# Altium PCB Shuttler_AMC.PcbDoc (part 5 of 12)
Units mm, origin at the board's own origin, x right, y up, seen from the top; angles counter-clockwise.
Board outline 180.71 x 148.55 mm, 12 copper layers (Layer 1, Layer 2, Layer 3, Layer 4, Layer 5, Layer 6, Layer 7, Layer 8, Layer 9, Layer 10, Layer 11, Layer 12), stack 2.14 mm thick; 1184 components, 1698 nets, 9088 pads, 920 vias.
Unrouted connection lines stored in the file: 1441.
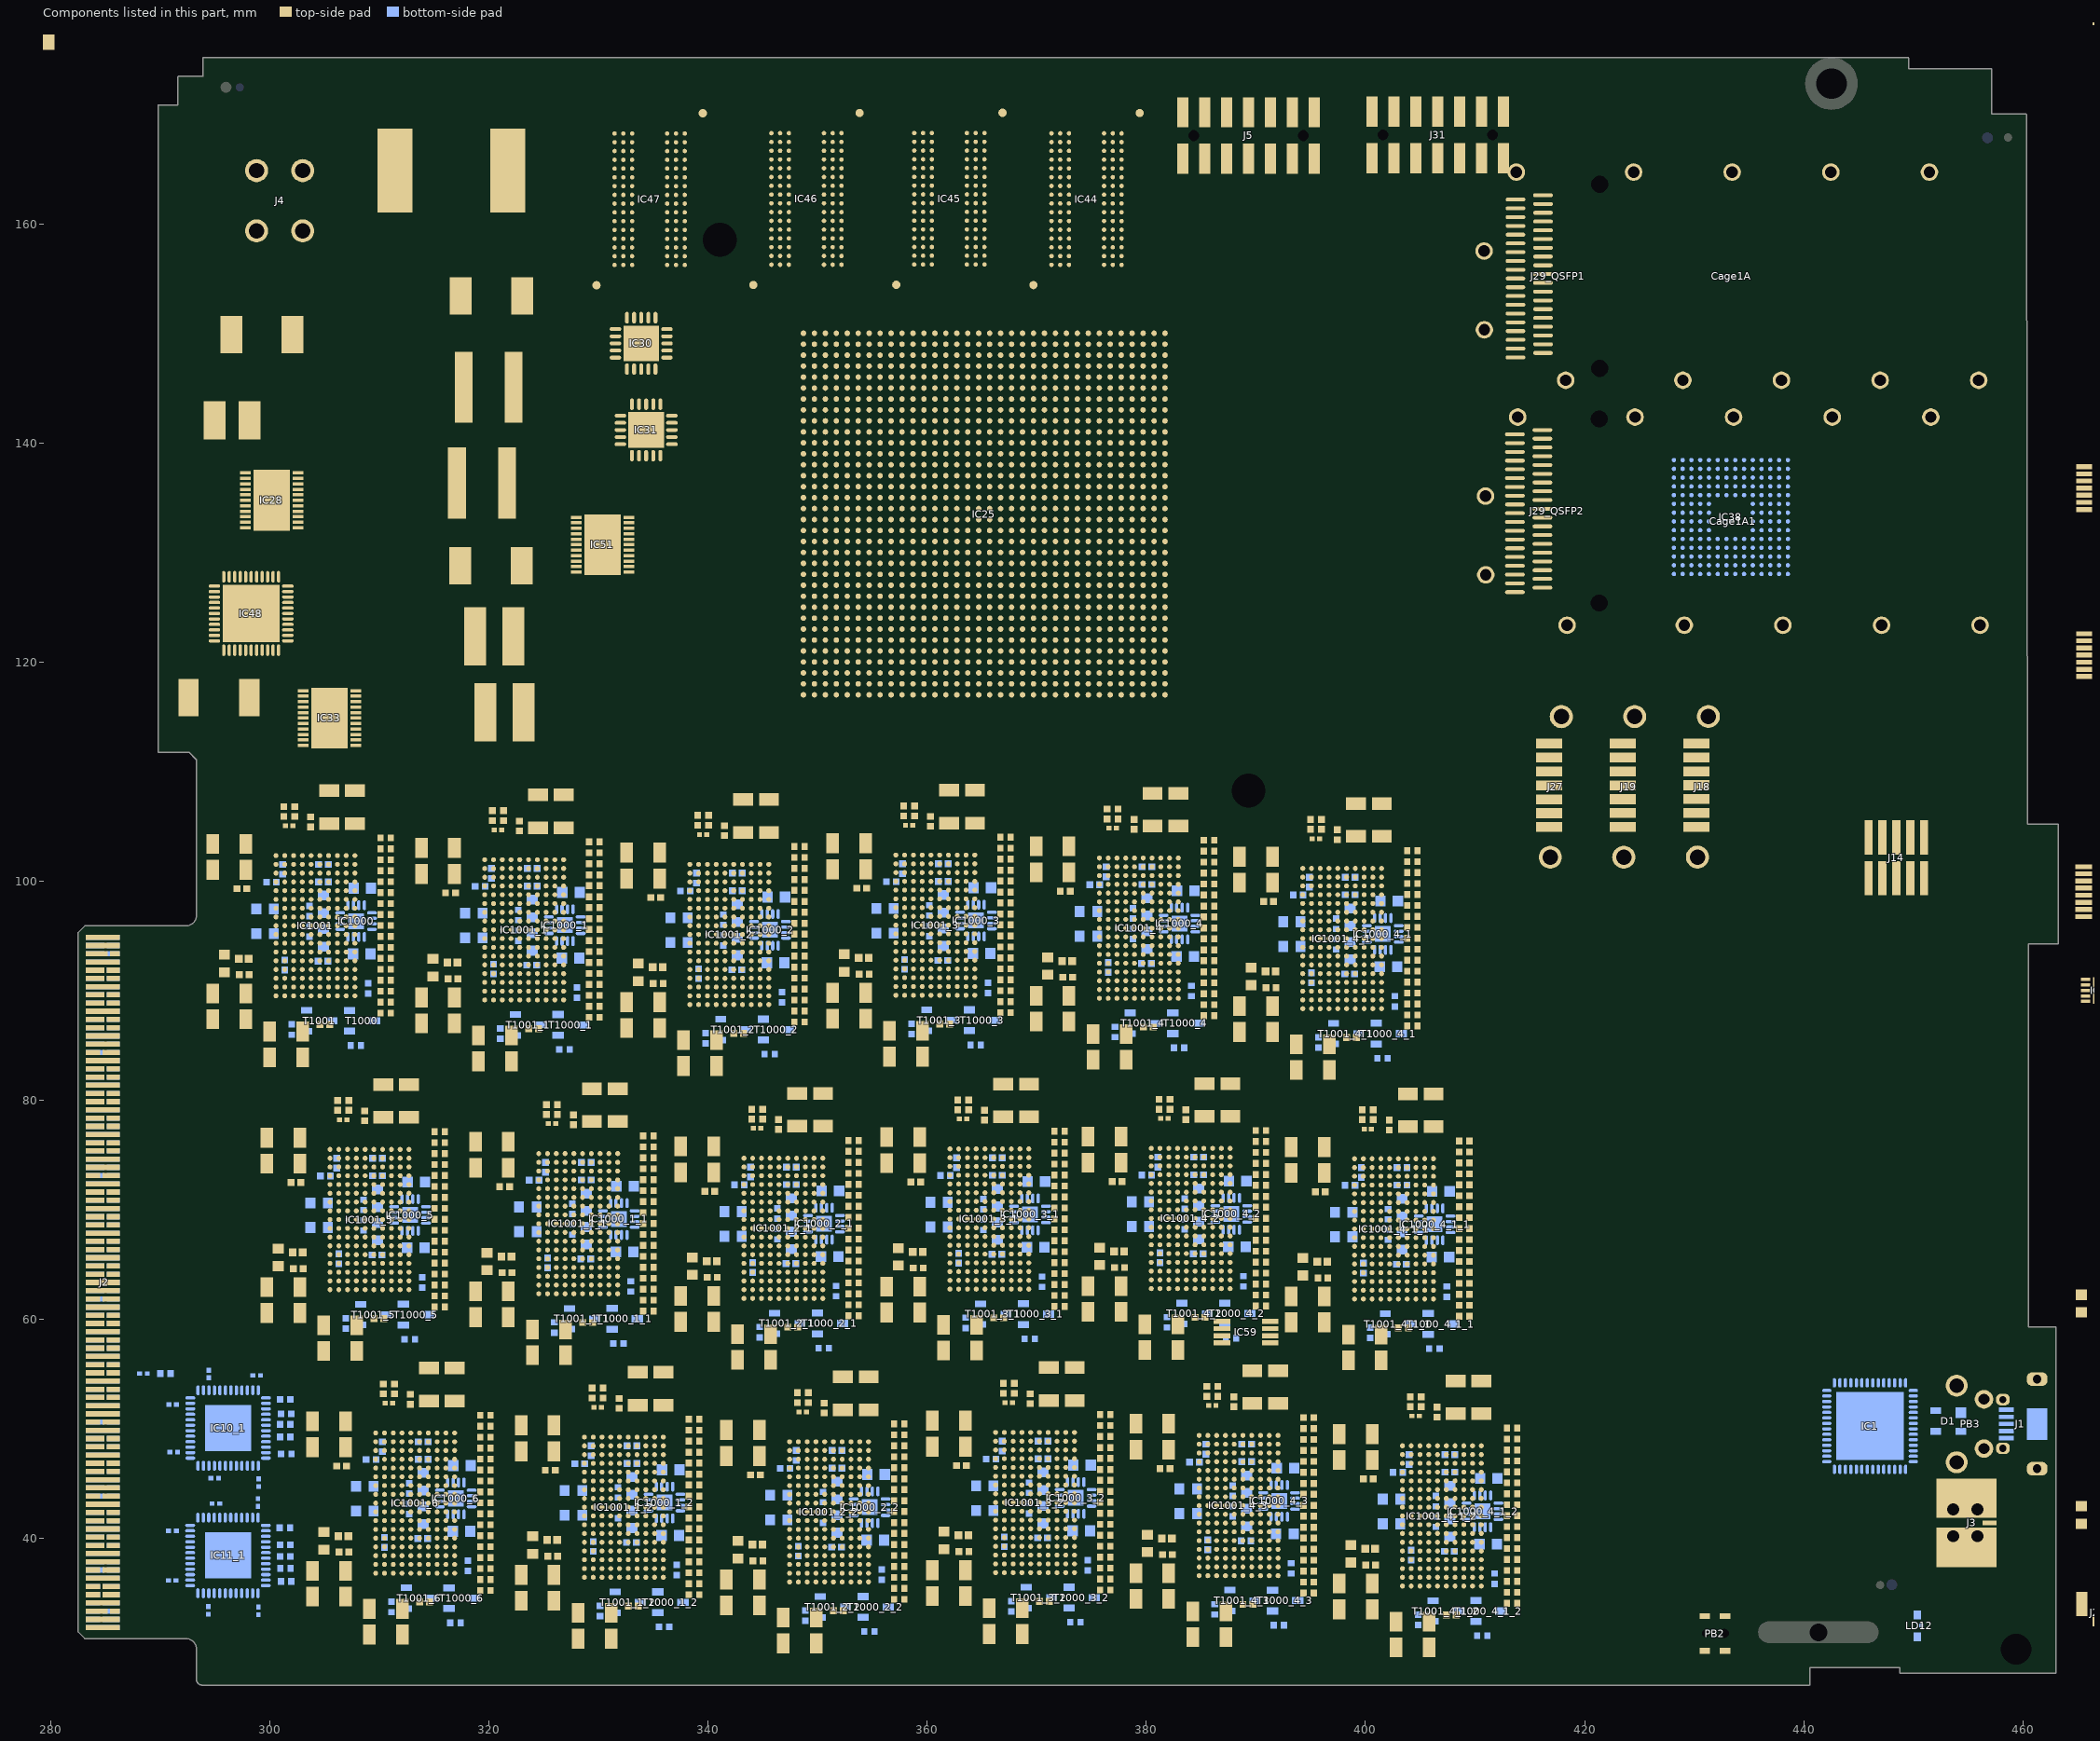
[diagram p11: the components of this part, seen from the top]

## Footprints (in the part's own frame and the unit in brackets; to place one, negate y for a bottom-side part, rotate by r counter-clockwise, add the part's x,y. Pads: shape width x height; smd on the part's side, far side on the other; paste and mask are expansions set on the pad) (continued)
HIROSE_ZX62RD-AB-5P8 [mm]
  rect 0.4x1.35 smd paste+0 mask+0.01: 1(1.3,0.775) 2(0.65,0.775) 3(0,0.775) 4(-0.65,0.775) 5(-1.3,0.775)
  rrect80% 1.225x1.9 hole 0.8 slot 1.5 at 90 deg paste-127 mask-127: 6(4.088,-2.025) 6/2(-4.088,-2.025)
  rrect80% 1.05x1.25 hole 0.65 slot 0.85 at 90 deg paste-127 mask-127: 6/3(2.225,1.1) 6/4(-2.225,1.1)
  rect 2.9x1.9 smd paste+0 mask+0.01: PASTEPAD(0,-2.025)
  Layer 1 keep-out region: 2.75,-1.675 2.755,-1.697 2.769,-1.714 2.789,-1.724 2.811,-1.724 2.831,-1.714 2.845,-1.697 2.85,-1.675 2.85,-1.675 2.831,-1.579 2.777,-1.498 2.696,-1.444 2.6,-1.425 2.6,-1.425 2.578,-1.43 2.561,-1.444 2.551,-1.464 2.551,-1.486 2.561,-1.506 2.578,-1.52 2.6,-1.525 2.6,-1.525 2.657,-1.536 2.706,-1.569 2.739,-1.618 2.75,-1.675
  Layer 1 keep-out region: 2.15,-1.525 2.172,-1.52 2.189,-1.506 2.199,-1.486 2.199,-1.464 2.189,-1.444 2.172,-1.43 2.15,-1.425 2.15,-1.425 2.054,-1.444 1.973,-1.498 1.919,-1.579 1.9,-1.675 1.9,-1.675 1.905,-1.697 1.919,-1.714 1.939,-1.724 1.961,-1.724 1.981,-1.714 1.995,-1.697 2,-1.675 2,-1.675 2.011,-1.618 2.044,-1.569 2.093,-1.536 2.15,-1.525
  Layer 1 keep-out region: -2,-1.675 -1.995,-1.697 -1.981,-1.714 -1.961,-1.724 -1.939,-1.724 -1.919,-1.714 -1.905,-1.697 -1.9,-1.675 -1.9,-1.675 -1.919,-1.579 -1.973,-1.498 -2.054,-1.444 -2.15,-1.425 -2.15,-1.425 -2.172,-1.43 -2.189,-1.444 -2.199,-1.464 -2.199,-1.486 -2.189,-1.506 -2.172,-1.52 -2.15,-1.525 -2.15,-1.525 -2.093,-1.536 -2.044,-1.569 -2.011,-1.618 -2,-1.675
  Layer 1 keep-out region: -2.6,-1.525 -2.578,-1.52 -2.561,-1.506 -2.551,-1.486 -2.551,-1.464 -2.561,-1.444 -2.578,-1.43 -2.6,-1.425 -2.6,-1.425 -2.696,-1.444 -2.777,-1.498 -2.831,-1.579 -2.85,-1.675 -2.85,-1.675 -2.845,-1.697 -2.831,-1.714 -2.811,-1.724 -2.789,-1.724 -2.769,-1.714 -2.755,-1.697 -2.75,-1.675 -2.75,-1.675 -2.739,-1.618 -2.706,-1.569 -2.657,-1.536 -2.6,-1.525
  Layer 1 keep-out region: -3.75,-0.775 -3.772,-0.78 -3.789,-0.794 -3.799,-0.814 -3.799,-0.836 -3.789,-0.856 -3.772,-0.87 -3.75,-0.875 -3.75,-0.875 -3.05,-0.875 -3.028,-0.87 -3.011,-0.856 -3.001,-0.836 -3.001,-0.814 -3.011,-0.794 -3.028,-0.78 -3.05,-0.775 -3.05,-0.775
  Layer 1 keep-out region: -3.1,-3.225 -3.095,-3.247 -3.081,-3.264 -3.061,-3.274 -3.039,-3.274 -3.019,-3.264 -3.005,-3.247 -3,-3.225 -3,-3.225 -3,-0.825 -3.005,-0.803 -3.019,-0.786 -3.039,-0.776 -3.061,-0.776 -3.081,-0.786 -3.095,-0.803 -3.1,-0.825 -3.1,-0.825
  Layer 1 keep-out region: -3.75,-3.175 -3.772,-3.18 -3.789,-3.194 -3.799,-3.214 -3.799,-3.236 -3.789,-3.256 -3.772,-3.27 -3.75,-3.275 -3.75,-3.275 -3.05,-3.275 -3.028,-3.27 -3.011,-3.256 -3.001,-3.236 -3.001,-3.214 -3.011,-3.194 -3.028,-3.18 -3.05,-3.175 -3.05,-3.175
  Layer 1 keep-out region: 3.05,-0.775 3.028,-0.78 3.011,-0.794 3.001,-0.814 3.001,-0.836 3.011,-0.856 3.028,-0.87 3.05,-0.875 3.05,-0.875 3.75,-0.875 3.772,-0.87 3.789,-0.856 3.799,-0.836 3.799,-0.814 3.789,-0.794 3.772,-0.78 3.75,-0.775 3.75,-0.775
  Layer 1 keep-out region: 3,-3.225 3.005,-3.247 3.019,-3.264 3.039,-3.274 3.061,-3.274 3.081,-3.264 3.095,-3.247 3.1,-3.225 3.1,-3.225 3.1,-0.825 3.095,-0.803 3.081,-0.786 3.061,-0.776 3.039,-0.776 3.019,-0.786 3.005,-0.803 3,-0.825 3,-0.825
  Layer 1 keep-out region: 3.05,-3.175 3.028,-3.18 3.011,-3.194 3.001,-3.214 3.001,-3.236 3.011,-3.256 3.028,-3.27 3.05,-3.275 3.05,-3.275 3.75,-3.275 3.772,-3.27 3.789,-3.256 3.799,-3.236 3.799,-3.214 3.789,-3.194 3.772,-3.18 3.75,-3.175 3.75,-3.175
  Layer 1 keep-out region: 1.7,0 1.678,-0.005 1.661,-0.019 1.651,-0.039 1.651,-0.061 1.661,-0.081 1.678,-0.095 1.7,-0.1 1.7,-0.1 3.75,-0.1 3.772,-0.095 3.789,-0.081 3.799,-0.061 3.799,-0.039 3.789,-0.019 3.772,-0.005 3.75,0 3.75,0
  Layer 1 keep-out region: 1.65,-0.25 1.655,-0.272 1.669,-0.289 1.689,-0.299 1.711,-0.299 1.731,-0.289 1.745,-0.272 1.75,-0.25 1.75,-0.25 1.75,-0.05 1.745,-0.028 1.731,-0.011 1.711,-0.001 1.689,-0.001 1.669,-0.011 1.655,-0.028 1.65,-0.05 1.65,-0.05
  Layer 1 keep-out region: -1.75,-0.25 -1.745,-0.272 -1.731,-0.289 -1.711,-0.299 -1.689,-0.299 -1.669,-0.289 -1.655,-0.272 -1.65,-0.25 -1.65,-0.25 -1.65,-0.05 -1.655,-0.028 -1.669,-0.011 -1.689,-0.001 -1.711,-0.001 -1.731,-0.011 -1.745,-0.028 -1.75,-0.05 -1.75,-0.05
  Layer 1 keep-out region: -1.7,-0.2 -1.722,-0.205 -1.739,-0.219 -1.749,-0.239 -1.749,-0.261 -1.739,-0.281 -1.722,-0.295 -1.7,-0.3 -1.7,-0.3 1.7,-0.3 1.722,-0.295 1.739,-0.281 1.749,-0.261 1.749,-0.239 1.739,-0.219 1.722,-0.205 1.7,-0.2 1.7,-0.2
  Layer 1 keep-out region: 3.7,-3.35 3.705,-3.372 3.719,-3.389 3.739,-3.399 3.761,-3.399 3.781,-3.389 3.795,-3.372 3.8,-3.35 3.8,-3.35 3.8,-3.225 3.795,-3.203 3.781,-3.186 3.761,-3.176 3.739,-3.176 3.719,-3.186 3.705,-3.203 3.7,-3.225 3.7,-3.225
  Layer 1 keep-out region: -3.8,-3.35 -3.795,-3.372 -3.781,-3.389 -3.761,-3.399 -3.739,-3.399 -3.719,-3.389 -3.705,-3.372 -3.7,-3.35 -3.7,-3.35 -3.7,-3.225 -3.705,-3.203 -3.719,-3.186 -3.739,-3.176 -3.761,-3.176 -3.781,-3.186 -3.795,-3.203 -3.8,-3.225 -3.8,-3.225
  Layer 1 keep-out region: 3.7,-0.825 3.705,-0.847 3.719,-0.864 3.739,-0.874 3.761,-0.874 3.781,-0.864 3.795,-0.847 3.8,-0.825 3.8,-0.825 3.8,-0.05 3.795,-0.028 3.781,-0.011 3.761,-0.001 3.739,-0.001 3.719,-0.011 3.705,-0.028 3.7,-0.05 3.7,-0.05
  Layer 1 keep-out region: -3.8,-0.825 -3.795,-0.847 -3.781,-0.864 -3.761,-0.874 -3.739,-0.874 -3.719,-0.864 -3.705,-0.847 -3.7,-0.825 -3.7,-0.825 -3.7,-0.05 -3.705,-0.028 -3.719,-0.011 -3.739,-0.001 -3.761,-0.001 -3.781,-0.011 -3.795,-0.028 -3.8,-0.05 -3.8,-0.05
  Layer 1 keep-out region: -3.75,0 -3.772,-0.005 -3.789,-0.019 -3.799,-0.039 -3.799,-0.061 -3.789,-0.081 -3.772,-0.095 -3.75,-0.1 -3.75,-0.1 -1.7,-0.1 -1.678,-0.095 -1.661,-0.081 -1.651,-0.061 -1.651,-0.039 -1.661,-0.019 -1.678,-0.005 -1.7,0 -1.7,0
  Layer 1 keep-out region: 2.8,-3.3 2.778,-3.305 2.761,-3.319 2.751,-3.339 2.751,-3.361 2.761,-3.381 2.778,-3.395 2.8,-3.4 2.8,-3.4 3.75,-3.4 3.772,-3.395 3.789,-3.381 3.799,-3.361 3.799,-3.339 3.789,-3.319 3.772,-3.305 3.75,-3.3 3.75,-3.3
  Layer 1 keep-out region: 1.65,-3.3 1.628,-3.305 1.611,-3.319 1.601,-3.339 1.601,-3.361 1.611,-3.381 1.628,-3.395 1.65,-3.4 1.65,-3.4 1.95,-3.4 1.972,-3.395 1.989,-3.381 1.999,-3.361 1.999,-3.339 1.989,-3.319 1.972,-3.305 1.95,-3.3 1.95,-3.3
  Layer 1 keep-out region: -1.95,-3.3 -1.972,-3.305 -1.989,-3.319 -1.999,-3.339 -1.999,-3.361 -1.989,-3.381 -1.972,-3.395 -1.95,-3.4 -1.95,-3.4 -1.65,-3.4 -1.628,-3.395 -1.611,-3.381 -1.601,-3.361 -1.601,-3.339 -1.611,-3.319 -1.628,-3.305 -1.65,-3.3 -1.65,-3.3
  Layer 1 keep-out region: -3.75,-3.3 -3.772,-3.305 -3.789,-3.319 -3.799,-3.339 -3.799,-3.361 -3.789,-3.381 -3.772,-3.395 -3.75,-3.4 -3.75,-3.4 -2.8,-3.4 -2.778,-3.395 -2.761,-3.381 -2.751,-3.361 -2.751,-3.339 -2.761,-3.319 -2.778,-3.305 -2.8,-3.3 -2.8,-3.3
  Layer 1 keep-out region: -1.7,-3.35 -1.695,-3.372 -1.681,-3.389 -1.661,-3.399 -1.639,-3.399 -1.619,-3.389 -1.605,-3.372 -1.6,-3.35 -1.6,-3.35 -1.6,-0.875 -1.605,-0.853 -1.619,-0.836 -1.639,-0.826 -1.661,-0.826 -1.681,-0.836 -1.695,-0.853 -1.7,-0.875 -1.7,-0.875
  Layer 1 keep-out region: -1.65,-0.825 -1.672,-0.83 -1.689,-0.844 -1.699,-0.864 -1.699,-0.886 -1.689,-0.906 -1.672,-0.92 -1.65,-0.925 -1.65,-0.925 1.65,-0.925 1.672,-0.92 1.689,-0.906 1.699,-0.886 1.699,-0.864 1.689,-0.844 1.672,-0.83 1.65,-0.825 1.65,-0.825
  Layer 1 keep-out region: 1.6,-3.35 1.605,-3.372 1.619,-3.389 1.639,-3.399 1.661,-3.399 1.681,-3.389 1.695,-3.372 1.7,-3.35 1.7,-3.35 1.7,-0.875 1.695,-0.853 1.681,-0.836 1.661,-0.826 1.639,-0.826 1.619,-0.836 1.605,-0.853 1.6,-0.875 1.6,-0.875
  Layer 1 keep-out region: 2.75,-3.35 2.755,-3.372 2.769,-3.389 2.789,-3.399 2.811,-3.399 2.831,-3.389 2.845,-3.372 2.85,-3.35 2.85,-3.35 2.85,-1.675 2.845,-1.653 2.831,-1.636 2.811,-1.626 2.789,-1.626 2.769,-1.636 2.755,-1.653 2.75,-1.675 2.75,-1.675
  Layer 1 keep-out region: 2.15,-1.425 2.128,-1.43 2.111,-1.444 2.101,-1.464 2.101,-1.486 2.111,-1.506 2.128,-1.52 2.15,-1.525 2.15,-1.525 2.6,-1.525 2.622,-1.52 2.639,-1.506 2.649,-1.486 2.649,-1.464 2.639,-1.444 2.622,-1.43 2.6,-1.425 2.6,-1.425
  Layer 1 keep-out region: 1.9,-3.35 1.905,-3.372 1.919,-3.389 1.939,-3.399 1.961,-3.399 1.981,-3.389 1.995,-3.372 2,-3.35 2,-3.35 2,-1.675 1.995,-1.653 1.981,-1.636 1.961,-1.626 1.939,-1.626 1.919,-1.636 1.905,-1.653 1.9,-1.675 1.9,-1.675
  Layer 1 keep-out region: -2,-3.35 -1.995,-3.372 -1.981,-3.389 -1.961,-3.399 -1.939,-3.399 -1.919,-3.389 -1.905,-3.372 -1.9,-3.35 -1.9,-3.35 -1.9,-1.675 -1.905,-1.653 -1.919,-1.636 -1.939,-1.626 -1.961,-1.626 -1.981,-1.636 -1.995,-1.653 -2,-1.675 -2,-1.675
  Layer 1 keep-out region: -2.6,-1.425 -2.622,-1.43 -2.639,-1.444 -2.649,-1.464 -2.649,-1.486 -2.639,-1.506 -2.622,-1.52 -2.6,-1.525 -2.6,-1.525 -2.15,-1.525 -2.128,-1.52 -2.111,-1.506 -2.101,-1.486 -2.101,-1.464 -2.111,-1.444 -2.128,-1.43 -2.15,-1.425 -2.15,-1.425
  Layer 1 keep-out region: -2.85,-3.35 -2.845,-3.372 -2.831,-3.389 -2.811,-3.399 -2.789,-3.399 -2.769,-3.389 -2.755,-3.372 -2.75,-3.35 -2.75,-3.35 -2.75,-1.675 -2.755,-1.653 -2.769,-1.636 -2.789,-1.626 -2.811,-1.626 -2.831,-1.636 -2.845,-1.653 -2.85,-1.675 -2.85,-1.675
  silkscreen extent -4,-4.65 4,2.05
HS_AAVID_342947 [mm]
  round 1 hole 3.1 unplated paste-127 mask+0.025: 1(24.135,-25.15) 2(-24.135,25.15)
  silkscreen extent -28.94,-29.5 28.96,29.5
IND_BOURNS_SRP6540 [mm] "SMD Inductor Body Width 7.5mm Body Lenght 6.7mm Height 4mm"
  rect 2x3.4 smd: 1(-2.8,0) 2(2.8,0)
  silkscreen extent -3.55,-3.35 3.55,3.35, body extent -3.75,-3.35 3.75,3.35, height 4
IND_COILCRAFT_XAL7070 [mm] "SMD Inductor Body Width 7.5mm Body Lenght 7.2mm Height 7mm, XAL7070 Series"
  rect 1.63x6.5 smd: 1(-2.285,0) 2(2.285,0)
  silkscreen extent -3.85,-4 3.85,4, body extent -3.85,-4 3.85,4, height 7
IND_MURATA-PS_8400 [mm] "Miniature Surface Mount Power Inductors, 4.5mm L X 3.3mm W X 2.9mm H, MURATA 8400 Series"
  rect 2x3.5 smd: 1(-1.6,0) 2(1.6,0)
  silkscreen extent -0.3,-1.8 0.3,1.8, body extent -2.4,-1.8 2.4,1.8, height 2.9
IND_PULSE_PA0513 [mm] "SMD Power Inductor, Body Width 13.46mm Body Lenght 12.95mm Height 8mm, PULSE PA0513 Series"
  rect 3.18x7.62 smd: 1(-5.145,0) 2(5.145,0)
  silkscreen extent -6.73,-6.48 6.73,6.48, body extent -6.73,-6.48 6.73,6.48, height 8
IND_TDK_SPM6530 [mm] "SMD Inductor, 7.1mm L X 6.5mm W X 3mm H, TDK SPM6530 Series"
  rect 1.85x3.4 smd: 1(-2.775,0) 2(2.775,0)
  silkscreen extent -3.5,-3.2 3.5,3.2, body extent -3.6,-3.2 3.6,3.2, height 3.1
IND_WURTH_WE-PMCI_0806LR [mm] "SMD Power Molded Chip  Inductor (WE-PMCI Series), Body 2.0x1.6mm"
  rect 0.8x1.8 smd: 1(-0.8,0) 2(0.8,0)
  silkscreen extent -0.05,-0.8 0.05,0.8, body extent -1,-0.8 1,0.8, height 1
IND_WURTH_WE-SPC-4838 [mm] "SMD Inductor, Body 4.8x4.8mm"
  rect 2x5.3 smd: 1(-1.75,0) 2(1.75,0)
  silkscreen extent -0.4,-2.41 0.4,2.41, body extent -2.41,-2.41 2.41,2.41, height 3.81
INDC1005X55N [mm] "Chip Inductor, 2-Leads, EIA 0402, Metric 1005, Body 1x0.5mm, 0402IPC Medium Density"
  rect 0.6x0.62 smd: 1(-0.46,0) 2(0.46,0)
  body extent -0.52,-0.27 0.53,0.28, height 0.55
INDC1608X65N [mm] "Chip Inductor, 2-Leads, EIA 0603, Metric 1608, Body 1.6x0.8mm, IPC Medium Density"
  rect 1x1 smd: 1(-0.75,0) 2(0.75,0)
  body extent -0.87,-0.47 0.88,0.48, height 0.65
INDC1608X95N [mm] "Chip Inductor, 2-Leads, EIA 0603, Metric 1608, Body 1.6x0.8mm, IPC Medium Density"
  rect 0.95x1 smd: 1(-0.8,0) 2(0.8,0)
  body extent -0.87,-0.47 0.88,0.48, height 0.95
INDC2012X105N [mm] "Chip Inductor, EIA 0805, Metric 2012, Body 2.0x1.25mm, IPC Medium Density"
  rect 1.15x1.45 smd: 1(-0.9,0) 2(0.9,0)
  silkscreen extent 0,-0.6 0,0.6, body extent -1.1,-0.7 1.1,0.7, height 1.1
INDC2012X110N [mm] "Chip Inductor, EIA 0805, Metric 2012, Body 2.0x1.2mm, IPC Medium Density"
  rect 1.05x1.4 smd: 1(-0.95,0) 2(0.95,0)
  silkscreen extent 0,-0.53 0,0.53, body extent -1,-0.62 1,0.63, height 1.1
INDC2014X145N [mm] "Chip Inductor, EIA 0805, Metric 2014, Body 2.05x1.4mm, IPC Medium Density"
  rect 1.05x1.6 smd: 1(-0.95,0) 2(0.95,0)
  silkscreen extent 0,-0.55 0,0.63, body extent -1,-0.66 1.2,0.74, height 1.45
INDC4516X180N [mm] "Inductor, Chip; 4.50mm L X 1.60mm W X 1.80mm H, IPC Medium Density"
  rect 1.4x1.8 smd: 1(-2,0) 2(2,0)
  silkscreen extent -0.95,-0.8 0.95,0.8, body extent -2.25,-0.8 2.25,0.8, height 1.8
LED_AVAGO_HSME-C120 [mm] "Green Chip LED, 2-Leads, Body 1.7x1.1mm, Side Emitting Package"
  rect 0.8x0.7 smd: 1(-1,0) 2(1,0)
  rect 0.4x0.4 smd: 3(0,-0.35)
  silkscreen extent -1.12,-0.92 0.42,0.8, body extent -0.85,-0.3 0.85,0.8, height 0.7
"LINEAR_BGA(170) # 05-08-1890" [mm] "BGA, 0.80mm Pitch, Rect.; 170 Pin, 10 Columns X 17 Rows, 9.00mm X 15.00mm X 1.69mm H, LTC DWG # 05-08-1890"
  round 0.45 smd: A1(-3.6,6.4) A2(-2.8,6.4) A3(-2,6.4) A4(-1.2,6.4) A5(-0.4,6.4) A6(0.4,6.4) A7(1.2,6.4) A8(2,6.4) A9(2.8,6.4) A10(3.6,6.4) B1(-3.6,5.6) B2(-2.8,5.6) B3(-2,5.6) B4(-1.2,5.6) B5(-0.4,5.6) B6(0.4,5.6) B7(1.2,5.6) B8(2,5.6) B9(2.8,5.6) B10(3.6,5.6) C1(-3.6,4.8) C2(-2.8,4.8) C3(-2,4.8) C4(-1.2,4.8) C5(-0.4,4.8) C6(0.4,4.8) C7(1.2,4.8) C8(2,4.8) C9(2.8,4.8) C10(3.6,4.8) D1(-3.6,4) D2(-2.8,4) D3(-2,4) D4(-1.2,4) D5(-0.4,4) D6(0.4,4) D7(1.2,4) D8(2,4) D9(2.8,4) D10(3.6,4) E1(-3.6,3.2) E2(-2.8,3.2) E3(-2,3.2) E4(-1.2,3.2) E5(-0.4,3.2) E6(0.4,3.2) E7(1.2,3.2) E8(2,3.2) E9(2.8,3.2) E10(3.6,3.2) F1(-3.6,2.4) F2(-2.8,2.4) F3(-2,2.4) F4(-1.2,2.4) F5(-0.4,2.4) F6(0.4,2.4) F7(1.2,2.4) F8(2,2.4) F9(2.8,2.4) F10(3.6,2.4) G1(-3.6,1.6) G2(-2.8,1.6) G3(-2,1.6) G4(-1.2,1.6) G5(-0.4,1.6) G6(0.4,1.6) G7(1.2,1.6) G8(2,1.6) G9(2.8,1.6) G10(3.6,1.6) H1(-3.6,0.8) H2(-2.8,0.8) H3(-2,0.8) H4(-1.2,0.8) H5(-0.4,0.8) H6(0.4,0.8) H7(1.2,0.8) H8(2,0.8) H9(2.8,0.8) H10(3.6,0.8) J1(-3.6,0) J2(-2.8,0) J3(-2,0) J4(-1.2,0) J5(-0.4,0) J6(0.4,0) J7(1.2,0) J8(2,0) J9(2.8,0) J10(3.6,0) K1(-3.6,-0.8) K2(-2.8,-0.8) K3(-2,-0.8) K4(-1.2,-0.8) K5(-0.4,-0.8) K6(0.4,-0.8) K7(1.2,-0.8) K8(2,-0.8) K9(2.8,-0.8) K10(3.6,-0.8) L1(-3.6,-1.6) L2(-2.8,-1.6) L3(-2,-1.6) L4(-1.2,-1.6) L5(-0.4,-1.6) L6(0.4,-1.6) L7(1.2,-1.6) L8(2,-1.6) L9(2.8,-1.6) L10(3.6,-1.6) M1(-3.6,-2.4) M2(-2.8,-2.4) M3(-2,-2.4) M4(-1.2,-2.4) M5(-0.4,-2.4) M6(0.4,-2.4) M7(1.2,-2.4) M8(2,-2.4) M9(2.8,-2.4) M10(3.6,-2.4) N1(-3.6,-3.2) N2(-2.8,-3.2) N3(-2,-3.2) N4(-1.2,-3.2) N5(-0.4,-3.2) N6(0.4,-3.2) N7(1.2,-3.2) N8(2,-3.2) N9(2.8,-3.2) N10(3.6,-3.2) P1(-3.6,-4) P2(-2.8,-4) P3(-2,-4) P4(-1.2,-4) P5(-0.4,-4) P6(0.4,-4) P7(1.2,-4) P8(2,-4) P9(2.8,-4) P10(3.6,-4) Q1(-3.6,-4.8) Q2(-2.8,-4.8) Q3(-2,-4.8) Q4(-1.2,-4.8) Q5(-0.4,-4.8) Q6(0.4,-4.8) Q7(1.2,-4.8) Q8(2,-4.8) Q9(2.8,-4.8) Q10(3.6,-4.8) R1(-3.6,-5.6) R2(-2.8,-5.6) R3(-2,-5.6) R4(-1.2,-5.6) R5(-0.4,-5.6) R6(0.4,-5.6) R7(1.2,-5.6) R8(2,-5.6) R9(2.8,-5.6) R10(3.6,-5.6) S1(-3.6,-6.4) S2(-2.8,-6.4) S3(-2,-6.4) S4(-1.2,-6.4) S5(-0.4,-6.4) S6(0.4,-6.4) S7(1.2,-6.4) S8(2,-6.4) S9(2.8,-6.4) S10(3.6,-6.4)
  silkscreen extent -5.22,-7.5 4.5,7.5, body extent -4.5,-7.5 4.5,7.5, height 1.69
MOLEX_39-28-1043 [mm] "4.20mm (.165\") Pitch Mini-Fit Jr. Header, Dual Row, Vertical, without Snap-in Plastic Peg PCB Lock, 4 Circuits"
  round 2.1 hole 1.4: 1(-2.1,2.75) 2(2.1,2.75) 3(-2.1,-2.75) 4(2.1,-2.75)
  silkscreen extent -5.2,-6 5.2,5, body extent -5.2,-6 5.2,5, height 12.8
MOLEX_67800-5005 [mm] "1.27mm Pitch, 7 Contacts, Serial ATA High Speed Header, Straight with Locking Latch"
  rect 0.9x2.4 smd: 1(-3.81,0) 2(-2.54,0) 3(-1.27,0) 4(0,0) 5(1.27,0) 6(2.54,0) 7(3.81,0)
  round 2.1 hole 1.4: MECH1(-6.27,1.1) MECH2(6.56,0.1)
  silkscreen extent -8.28,-2.87 8.61,4.33, body extent -8.29,-2.13 8.62,4.32, height 8.4
MOLEX_87832-1420 [mm] "Milli-Grid, Pitch 2mm, 14 contacts, Surface Mount Vertical Header With Locking Window And Centre Polarization Slot"
  rect 1x2.75 smd: 1(-6,-2.125) 2(-6,2.125) 3(-4,-2.125) 4(-4,2.125) 5(-2,-2.125) 6(-2,2.125) 7(0,-2.125) 8(0,2.125) 9(2,-2.125) 10(2,2.125) 11(4,-2.125) 12(4,2.125) 13(6,-2.125) 14(6,2.125)
  round 0.5 hole 1 unplated mask+0.25: 15(-5,0) 16(5,0)
  silkscreen extent -8.32,-4.19 8.32,3.15, body extent -8.32,-3.15 8.33,3.15, height 7.6
PB_ALPS_SKHHLQA010 [mm] "Body 6x6mm, Stem height 8.35mm, Horizontal Pushbutton Switch, ALPS Serie SKHH"
  round 1.7 hole 1: 1(-1.25,-2.25) 2(-1.25,2.25)
  round 2 hole 1.3: 3(1.25,-3.5) 4(1.25,3.5)
  silkscreen extent -9.6,-3.75 2.8,3.75, body extent -9.6,-4.25 2.8,4.25, height 7.4
QFN40P140X180X55-10N [mm] "QFN, 0.40mm Pitch, Rect.;10 Pin, 1.80mm L X 1.40mm W X 0.55mm H Body, IPC Medium Density"
  oval 0.9x0.2 smd: 1(-0.65,0.2)
  oval 0.8x0.2 smd: 2(-0.7,-0.2) 6(0.7,-0.2) 7(0.7,0.2)
  oval 0.2x0.8 smd: 3(-0.4,-0.9) 4(0,-0.9) 5(0.4,-0.9) 8(0.4,0.9) 9(0,0.9) 10(-0.4,0.9)
  silkscreen extent -1.82,0.07 -1.58,0.32, body extent -0.7,-0.9 0.7,0.9, height 0.55
QFN50P300X300X100-17N-S145 [mm] "QFN,0.50mm Pitch, Square; 4 Pin X 4 Pin, 3mm X 3mm X 1.00mm H Body (w/Thermal Tab 1.45 X 1.45mm), IPC Medium Density"
  oval 0.9x0.3 smd: 1(-1.45,0.75) 2(-1.45,0.25) 3(-1.45,-0.25) 4(-1.45,-0.75) 9(1.45,-0.75) 10(1.45,-0.25) 11(1.45,0.25) 12(1.45,0.75)
  oval 0.3x0.9 smd: 5(-0.75,-1.45) 6(-0.25,-1.45) 7(0.25,-1.45) 8(0.75,-1.45) 13(0.75,1.45) 14(0.25,1.45) 15(-0.25,1.45) 16(-0.75,1.45)
  rect 1.45x1.45 smd: 17(0,0)
  silkscreen extent -2.62,-1.5 1.5,1.5, body extent -1.57,-1.57 1.58,1.58, height 1
QFN50P400X400X100-25N-S220 [mm] "QFN, 0.50mm Pitch, Square; 24 Pin, 4.00mm L X 4.00mm W X 1.00mm H body (w/thermal tab 2.2 X 2.2mm), IPC Medium Density"
  oval 0.9x0.3 smd: 1(-1.95,1.25) 2(-1.95,0.75) 3(-1.95,0.25) 4(-1.95,-0.25) 5(-1.95,-0.75) 6(-1.95,-1.25) 13(1.95,-1.25) 14(1.95,-0.75) 15(1.95,-0.25) 16(1.95,0.25) 17(1.95,0.75) 18(1.95,1.25)
  oval 0.3x0.9 smd: 7(-1.25,-1.95) 8(-0.75,-1.95) 9(-0.25,-1.95) 10(0.25,-1.95) 11(0.75,-1.95) 12(1.25,-1.95) 19(1.25,1.95) 20(0.75,1.95) 21(0.25,1.95) 22(-0.25,1.95) 23(-0.75,1.95) 24(-1.25,1.95)
  rect 2.2x2.2 smd: 25(0,0)
  silkscreen extent -3.12,-2 2,2, body extent -2.07,-2.07 2.08,2.08, height 1
QFN50P500X500X80-33N-S285 [mm] "QFN, 0.50mm Pitch, Square; 8 Pin X 8 Pin, 5mm X 5mm X 1.00mm H body (w/thermal tab 2.85 X 2.85mm),  IPC Medium Density"
  oval 0.85x0.3 smd: 1(-2.45,1.75) 2(-2.45,1.25) 3(-2.45,0.75) 4(-2.45,0.25) 5(-2.45,-0.25) 6(-2.45,-0.75) 7(-2.45,-1.25) 8(-2.45,-1.75) 17(2.45,-1.75) 18(2.45,-1.25) 19(2.45,-0.75) 20(2.45,-0.25) 21(2.45,0.25) 22(2.45,0.75) 23(2.45,1.25) 24(2.45,1.75)
  oval 0.3x0.85 smd: 9(-1.75,-2.45) 10(-1.25,-2.45) 11(-0.75,-2.45) 12(-0.25,-2.45) 13(0.25,-2.45) 14(0.75,-2.45) 15(1.25,-2.45) 16(1.75,-2.45) 25(1.75,2.45) 26(1.25,2.45) 27(0.75,2.45) 28(0.25,2.45) 29(-0.25,2.45) 30(-0.75,2.45) 31(-1.25,2.45) 32(-1.75,2.45)
  rect 2.85x2.85 smd: 33(0,0)
  silkscreen extent -3.57,-2.5 2.5,2.5, body extent -2.5,-2.5 2.5,2.5, height 0.8
QFN50P600X600X90-37N-S425 [mm] "QFN, 0.50mm Pitch, Square; 36 Pin, 6.00mm L X 6.00mm W X 0.90mm H Body (w/thermal tab 4.25m x 4.25mm), IPC Medium Density"
  oval 1.05x0.3 smd: 1(-2.9,2) 2(-2.9,1.5) 3(-2.9,1) 4(-2.9,0.5) 5(-2.9,0) 6(-2.9,-0.5) 7(-2.9,-1) 8(-2.9,-1.5) 9(-2.9,-2) 19(2.9,-2) 20(2.9,-1.5) 21(2.9,-1) 22(2.9,-0.5) 23(2.9,0) 24(2.9,0.5) 25(2.9,1) 26(2.9,1.5) 27(2.9,2)
  oval 0.3x1.05 smd: 10(-2,-2.9) 11(-1.5,-2.9) 12(-1,-2.9) 13(-0.5,-2.9) 14(0,-2.9) 15(0.5,-2.9) 16(1,-2.9) 17(1.5,-2.9) 18(2,-2.9) 28(2,2.9) 29(1.5,2.9) 30(1,2.9) 31(0.5,2.9) 32(0,2.9) 33(-0.5,2.9) 34(-1,2.9) 35(-1.5,2.9) 36(-2,2.9)
  rect 4.25x4.25 smd: 37(0,0)
  silkscreen extent -4.12,-3 3,3, body extent -3,-3 3,3, height 0.9
QFN50P600X600X90-41N-S475 [mm] "QFN, 0.50mm Pitch, Square; 40 Pin, 4.00mm L X 4.00mm W X 1.00mm H Body (w/thermal Tab 2.75 X 2.75mm), IPC Medium Density"
  oval 0.8x0.3 smd: 1(-3,2.25) 2(-3,1.75) 3(-3,1.25) 4(-3,0.75) 5(-3,0.25) 6(-3,-0.25) 7(-3,-0.75) 8(-3,-1.25) 9(-3,-1.75) 10(-3,-2.25) 21(3,-2.25) 22(3,-1.75) 23(3,-1.25) 24(3,-0.75) 25(3,-0.25) 26(3,0.25) 27(3,0.75) 28(3,1.25) 29(3,1.75) 30(3,2.25)
  oval 0.3x0.8 smd: 11(-2.25,-3) 12(-1.75,-3) 13(-1.25,-3) 14(-0.75,-3) 15(-0.25,-3) 16(0.25,-3) 17(0.75,-3) 18(1.25,-3) 19(1.75,-3) 20(2.25,-3) 31(2.25,3) 32(1.75,3) 33(1.25,3) 34(0.75,3) 35(0.25,3) 36(-0.25,3) 37(-0.75,3) 38(-1.25,3) 39(-1.75,3) 40(-2.25,3)
  rect 4.75x4.75 smd: 41(0,0)
  silkscreen extent -4.12,-3.05 3.05,3.05, body extent -3,-3 3,3, height 0.9
QFN50P700X700X80-45N-S520 [mm] "QFN,0.50mm Pitch, Square; 44 Pin, 7.00mm L X 7.00mm W X 0.80mm H Body (W/Thermal Tab 5.2mm X 5.2mm), IPC Medium Density"
  oval 1.05x0.3 smd: 1(-3.35,2.5) 2(-3.35,2) 3(-3.35,1.5) 4(-3.35,1) 5(-3.35,0.5) 6(-3.35,0) 7(-3.35,-0.5) 8(-3.35,-1) 9(-3.35,-1.5) 10(-3.35,-2) 11(-3.35,-2.5) 23(3.35,-2.5) 24(3.35,-2) 25(3.35,-1.5) 26(3.35,-1) 27(3.35,-0.5) 28(3.35,0) 29(3.35,0.5) 30(3.35,1) 31(3.35,1.5) 32(3.35,2) 33(3.35,2.5)
  oval 0.3x1.05 smd: 12(-2.5,-3.35) 13(-2,-3.35) 14(-1.5,-3.35) 15(-1,-3.35) 16(-0.5,-3.35) 17(0,-3.35) 18(0.5,-3.35) 19(1,-3.35) 20(1.5,-3.35) 21(2,-3.35) 22(2.5,-3.35) 34(2.5,3.35) 35(2,3.35) 36(1.5,3.35) 37(1,3.35) 38(0.5,3.35) 39(0,3.35) 40(-0.5,3.35) 41(-1,3.35) 42(-1.5,3.35) 43(-2,3.35) 44(-2.5,3.35)